# KiCad board main_pcb_hw5.kicad_pcb (continued)
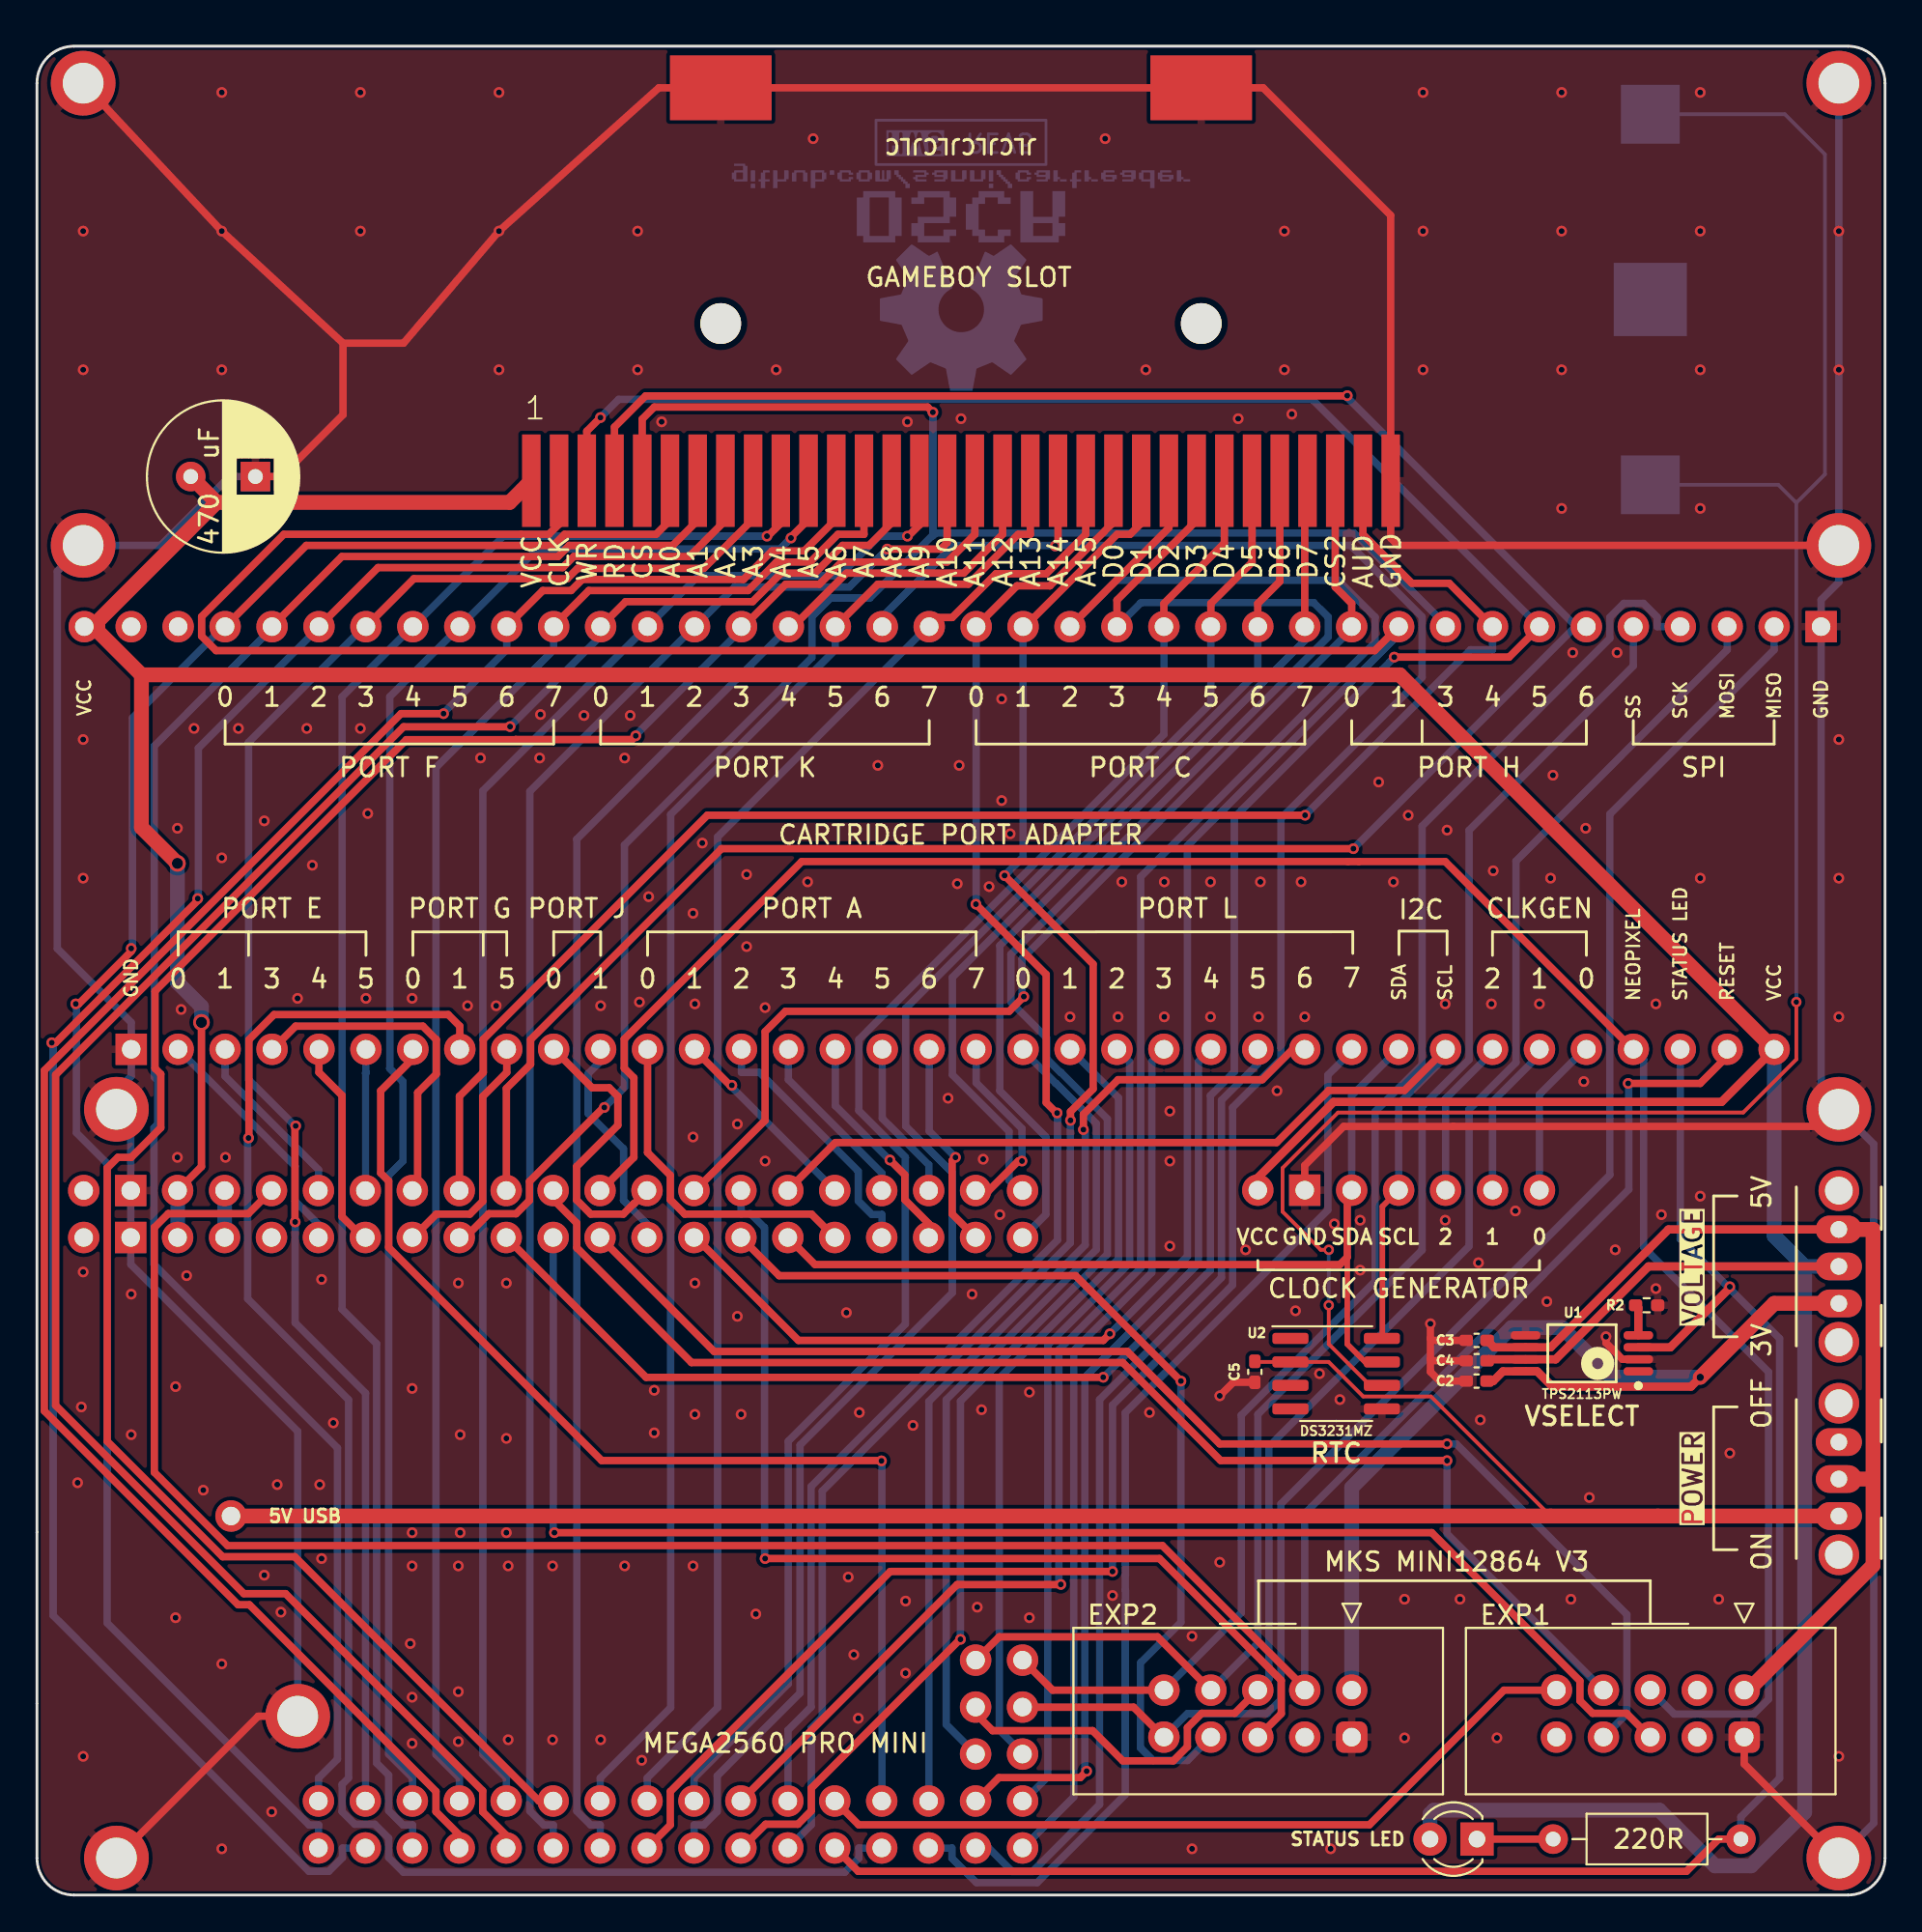
[diagram p0: board, top side]
## Nets
+3.3VA: J1.35 J1.36
+3V3: C2.2 J8.1 SW1.1 U1.8
+5V: C3.1 J9.1 SW1.3 SW2.2 U1.6
GND: BT1.2 C1.2 C2.1 C3.2 C4.2 C5.2 J1.39 J1.40 J3.38 J4.1 J7.2 J8.2 J9.2 J10.32 J10.33 J10.34 M2_1.1 M2_2.1 M2_3.1 M2_4.1 M2_5.1 M2_6.1 M2_7.1 M2_8.1 M2_9.1 R2.1 U1.2 U1.5 U2.5
VBUS: C5.1 J6.1 SW2.1 U2.2
VCC: C1.1 C4.1 D1.2 J1.37 J1.38 J3.1 J4.36 J7.1 J10.1 SW1.2 U1.7
+BATT: BT1.1 U2.6
A0: J1.73 J3.4 J10.6
A1: J1.74 J3.5 J10.7
A2: J1.71 J3.6 J10.8
A3: J1.72 J3.7 J10.9
A4: J1.69 J3.8 J10.10
A5: J1.70 J3.9 J10.11
A6: J1.67 J3.10 J10.12
A7: J1.68 J3.11 J10.13
A8: J1.65 J3.12 J10.14
A9: J1.66 J3.13 J10.15
A10: J1.63 J3.14 J10.16
A11: J1.64 J3.15 J10.17
A12: J1.61 J3.16 J10.18
A13: J1.62 J3.17 J10.19
A14: J1.59 J3.18 J10.20
A15: J1.60 J3.19 J10.21
CLK0: J4.32 J7.7
CLK1: J4.31 J7.6
CLK2: J4.30 J7.5
D0: J1.31 J4.2
D1: J1.32 J4.3
D2: J1.29 J4.5
D3: J1.30 J4.6
D4: J1.27 J4.9
D5: J1.28 J4.4
D6: J1.25 J3.30 J10.5
D7: J1.26 J3.31 J10.31
D8: J1.23 J3.32 J10.3
D9: J1.24 J3.33 J10.4
D10: J1.21 J9.6
D11: J1.22 J9.7
D12: J1.19 J9.8
D13: J1.20 J4.33 J9.5
D14: J1.17 J4.11
D15: J1.18 J4.10
D16: J1.15 J3.29 J10.2
D17: J1.16 J3.28 J10.30
D18: J1.13 J8.8
D19: J1.14 J8.6
D20: J1.11 J4.28 J7.3 U2.7
D21: J1.12 J4.29 J7.4 U2.8
D22: J1.9 J4.12
D23: J1.10 J4.13
D24: J1.7 J4.14
D25: J1.8 J4.15
D26: J1.5 J4.16
D27: J1.6 J4.17
D28: J1.3 J4.18
D29: J1.4 J4.19
D30: J1.1 J3.27 J10.29
D31: J1.2 J3.26 J10.28
D32: J1.57 J3.25 J10.27
D33: J1.58 J3.24 J10.26
D34: J1.55 J3.23 J10.25
D35: J1.56 J3.22 J10.24
D36: J1.53 J3.21 J10.23
D37: J1.54 J3.20 J10.22
D38: J1.51 J4.34 R1.2 U1.3
D39: J1.52 J9.9
D40: J1.49 J4.8
D41: J1.50 J4.7
D42: J1.47 J4.27
D43: J1.48 J4.26
D44: J1.45 J4.25
D45: J1.46 J4.24
D46: J1.43 J4.23
D47: J1.44 J4.22
D48: J1.76 J4.21
D49: J1.75 J4.20
D50: J1.78 J3.37 J8.10
D51: J1.77 J3.36 J8.5
D52: J1.80 J3.35 J8.9
D53: J1.79 J3.34 J8.7
RESET: J1.34 J4.35 J8.3
Net-(D1-K): D1.1 R1.1
Net-(U1-ILIM): R2.2 U1.4

Pads without a net: J1 33 41 42; J3 2 3; J8 4; J9 3 4 10; SW2 3; U1 1; U2 1 3 4

## Via types
v1: diameter 0.58, hole 0.32, Top to Bottom, 261 vias
v2: diameter 0.9, hole 0.6, Top to Bottom, 2 vias
v3: diameter 0.66, hole 0.4, Top to Bottom, 1 via
v4: diameter 0.56, hole 0.3, Top to Bottom, 3 vias

## Routing (per net, layer and track width the routed paths; a pad name or vN(x,y) marks a point on that pad's centre or on a via; arc(x,y) is an arc through that point)
+3.3VA: length 2.5
  Bottom w0.8: 10.16,38.1 10.16,35.56
+3V3: length 56
  Top w0.45: v3(90,28) 89.5,27.5 82,27.5 81.17,28.33 U1.8 79.33,28.33 78.8,27.8 C2.2
  Top w0.8: SW1.1 94,32 v3(90,28)
  Bottom w0.8: J8.1 71.14,22.04 79.79,30.69 82.52,30.69 85.2,28.01 89.99,28.01 v3(90,28)
+5V: length 53.5
  Top w0.45: SW1.3 88.28,36 81.91,29.63 U1.6 78.84,29.63 C3.1
  Top w0.8: 99.35,22.5 SW2.2 ; 99.35,22.5 99.35,17.83 92.6,11.08 J9.1 ; 99.35,22.5 99.35,36 SW1.3
GND: length 382.8
  Top w0.4: M2_4.1 96.57,41.58 76.64,41.58 76.63,41.57 70.71,41.57 68.6,39.46 J7.2 ; 16.56,83.94 19.84,83.94 v1(25,90) 33.65,97.75 J10.33 J10.34 66.35,97.75 73.25,90.85 J10.32 73.25,73.4 73.65,73 M2_3.1 ; 16.56,83.94 16.56,80.07 13.22,76.72 C1.2 ; 16.56,83.94 v1(10,90) M2_1.1 ; J9.2 92.38,7.09 97.47,2 M2_5.1 ; 75.4,30.1 75.5,30 C3.2 ; 75.4,30.1 75.4,29 ; 75.4,30.1 v1(75.4,30.9) ; v1(64,27) 64.73,27.73 C5.2 ; U1.2 85.79,28.98 84.9,29.86 v1(84.9,30.2) ; 75.4,29 75.4,28.3 75.9,27.8 C2.1 ; 75.4,29 75.5,28.9 C4.2 ; M2_7.1 11.97,9.67 M2_6.1
  Bottom w0.4: M2_5.1 99.39,3.89 99.39,40.61 M2_4.1 96.54,43.46 J3.38 96.54,70.06 97.5,71.02 M2_3.1 v1(97.5,82.5) v1(97.5,90) M2_2.1 ; C1.2 10.42,76.72 6.69,73 M2_8.1 1.1,71.6 1.1,51.2 5.1,47.2 J4.1 5.1,44.29 4.3,43.49 M2_9.1 5.08,41.72 5.08,34.11 14.11,25.08 M2_7.1
  vias: v1(2.2,22.3) v1(2.4,26.4) v1(2.5,90) v1(2.5,82.5) v1(2.5,62.5) v1(2.5,55) v1(2.5,33.7) v1(2.5,7.5) v1(5.1,32.5) v1(5.1,24.9) v1(7.5,27.5) v1(7.5,15) v1(7.6,57.7) v1(7.6,39.9) v1(7.8,47.9) v1(8.1,33.5) v1(8.5,63.1) v1(9,21.9) v1(10,97.5) v1(10,82.5) v1(10,56.1) v1(10,12.5) v1(10,2.5) v1(10.2,39.9) v1(10.9,63.1) v1(12.3,58.1) v1(12.3,17.3) v1(12.7,4.5) v1(13,22.2) v1(13.2,15.3) v1(14.1,48.5) v1(14.6,63.1) v1(14.9,55.7) v1(15.3,22.2) v1(15.4,33.3) v1(15.4,18.2) v1(16.04,25.54) v1(17.5,97.5) v1(17.5,90) v1(17.5,63.1) v1(17.8,48.5) v1(17.9,58.5) v1(20.2,13.6) v1(20.3,48.5) v1(20.3,27.4) v1(20.3,19.6) v1(20.3,17.8) v1(20.3,10.7) v1(20.3,8.2) v1(22.8,33.1) v1(22.8,17.8) v1(22.8,11) v1(22.8,8.3) v1(22.9,24.9) v1(22.9,19.6) v1(23.3,48.1) v1(24,61.5) v1(24.85,48.1) v1(25,97.5) v1(25,82.5) v1(25.4,33.1) v1(25.4,24.7) v1(25.4,19.6) v1(25.5,17.8) v1(25.5,8.4) v1(27.24,63.86) v1(27.2,61.5) v1(27.9,17.8) v1(27.9,8.4) v1(29.6,63.8) v1(30.5,48.1) v1(30.5,8.4) v1(31.8,61.5) v1(31.8,17.8) v1(32.1,63.8) v1(32.5,90) v1(32.5,82.5) v1(32.6,48.3) v1(32.72,7.29) v1(33.1,54) v1(33.4,27.3) v1(33.4,25) v1(33.8,79.68) v1(35.5,53.1) v1(35.5,41) v1(35.5,17.8) v1(35.6,48.2) v1(35.6,33.1) v1(35.6,26) v1(36,56.9) v1(37.9,41.7) v1(37.9,31.3) v1(38.1,26) v1(38.4,55.2) v1(38.4,51.3) v1(38.9,15.2) v1(39.4,48) v1(39.4,39.7) v1(40,82.5) v1(41.7,54.8) v1(42,95) v1(43.8,31.5) v1(43.9,17.2) v1(44.2,13) v1(44.44,9.56) v1(44.5,26.1) v1(45.5,61.1) v1(47,15.9) v1(47,12) v1(47.1,79.68) v1(47.4,25.4) v1(49.3,43.1) v1(49.8,54.7) v1(49.9,61.1) v1(50,79.85) v1(50.6,32.5) v1(50.88,15.57) v1(51.11,26.25) v1(51.2,39.8) v1(51.52,54.54) v1(52.1,36.8) v1(52.2,64.7) v1(52.2,59.2) v1(52.66,57.4) v1(53.7,27.2) v1(53.7,15) v1(55.9,47.5) v1(57.8,95) v1(58.2,16.2) v1(58.5,47.5) v1(58.7,54.8) v1(60,82.5) v1(60.2,26.1) v1(61,54.8) v1(61,47.5) v1(61.3,42.4) v1(61.3,39.7) v1(61.3,35.1) v1(62.5,14) v1(62.5,2.5) v1(63.5,54.8) v1(63.5,47.5) v1(64,18) v1(65,79.85) v1(65.4,34.9) v1(66.1,47.5) v1(66.2,54.8) v1(67.1,43.5) v1(67.5,90) v1(67.5,82.5) v1(67.9,80.1) v1(68.1,31.6) v1(68.4,54.8) v1(68.6,47.5) v1(69.4,28.2) v1(70,2.5) v1(70.2,36.3) v1(70.5,26.8) v1(71.6,36.5) v1(71.6,33.8) v1(72.6,60.2) v1(73.4,54.8) v1(74,16) v1(74,8.5) v1(74.2,58.4) v1(75,97.5) v1(75,90) v1(75,82.5) v1(76.2,48.2) v1(76.2,36.5) v1(76.3,57.6) v1(77,16) v1(78,34.2) v1(78.1,25.7) v1(78.7,48.2) v1(78.8,55.4) v1(79,8.5) v1(80,37) v1(81.3,48.2) v1(81.7,32.1) v1(81.9,55) v1(82.03,60.57) v1(82.5,97.5) v1(82.5,90) v1(82.5,82.5) v1(82.5,75) v1(83,16) v1(83.1,67.2) v1(83.7,44) v1(83.8,57.7) v1(84,21.5) v1(85.4,34.9) v1(85.5,67.2) v1(87.6,48.2) v1(87.6,32.8) v1(87.9,36.8) v1(90,97.5) v1(90,90) v1(90,82.5) v1(90,75) v1(90,55) v1(90,37.8) v1(91,16) v1(91.6,23.9) v1(97.5,62.5) v1(97.5,55) v1(97.5,47.5) v1(97.5,7.5)
VBUS: length 106.5
  Top w0.2: 81.9,20.5 81.9,20.5 75.43,26.97 71.76,26.97 69.89,28.83 65.93,28.83 C5.1
  Top w0.8: SW2.1 J6.1
VCC: length 282.8
  Top w0.4: J1.38 8.9,39.39 v2(8.9,47.2)
  Top w0.45: SW1.2 87.2,34 82.18,28.98 U1.7 78.54,28.98 C4.1 ; J7.1 66.06,38.8 70.16,42.9 76.08,42.9 76.09,42.9 91.16,42.9 J4.36
  Top w0.8: J3.1 3.29,68.61 ; 3.29,68.61 3.29,68.9 9.72,75.32 ; 3.29,68.61 3.29,68.36 5.65,66 ; 5.65,66 73.75,66 J4.36 ; 5.65,66 5.65,57.75 v2(7.6,55.8) ; J10.1 25.57,75.32 9.72,75.32 ; 9.72,75.32 C1.1
  Bottom w0.8: 95.65,34 94,35.65 J4.36 ; 95.65,34 SW1.2 ; 95.65,34 95.65,4.47 92.75,1.58 90.8,1.58 87.79,4.59 75.58,4.59 75.38,4.39 D1.2 ; v2(7.6,55.8) 7.6,49.36 8.9,48.06 v2(8.9,47.2) ; 7.62,38.1 7.62,35.56
+BATT: length 113.2
  Top w0.2: U2.6 72.13,27.56 69.9,29.8 v4(69.9,31.9) ; v4(95.2,48.3) 95.2,45.2 92.32,42.33 76.33,42.33 76.32,42.32 70.4,42.32 67.4,39.33 67.4,36.96 69.46,34.9 v4(69.9,34.9)
  Bottom w0.2: v4(95.2,48.3) 95.2,75.36 ; BT1.1 94.58,96.32 96.75,94.15 96.75,76.85 95.2,75.3 94.22,76.28 BT1.1 ; v4(69.9,31.9) v4(69.9,34.9)
A0: length 103.9
  Top w0.4: v1(2.1,48.2) 2.26,48.2 5.1,51.04 v1(5.1,51.2) ; J10.6 34.25,74.35 33.5,73.6 28.55,73.6 27.95,73 14.57,73 J3.4
  Bottom w0.4: v1(5.1,51.2) 5.17,51.27 5.17,63.67 10.11,68.61 J3.4 ; v1(2.1,48.2) 2.13,48.17 2.13,41.24 3.8,39.57 3.8,14.71 14.72,3.79 15.24,3.79 15.24,2.54
A1: length 98.4
  Top w0.4: J3.5 12.72,68.62 16.5,72.4 28.2,72.4 28.8,73 34.4,73 35.75,74.35 J10.7
  Bottom w0.4: 15.24,5.08 15.24,6.33 16.26,7.35 16.26,24.18 6.33,34.11 6.33,41.49 6.54,41.7 6.54,44.05 6.35,44.24 6.35,62.15 12.72,68.52 J3.5
A2: length 109.6
  Top w0.4: v1(8.7,53.9) 8.7,53.79 1.01,46.1 v1(0.8,46.1) ; J3.6 18.45,71.8 28.45,71.8 29.05,72.4 35.3,72.4 37.25,74.35 J10.8
  Bottom w0.4: 17.78,2.54 16.53,2.54 16.53,2.02 15.79,1.28 14.72,1.28 0.87,15.12 0.87,46.03 v1(0.8,46.1) ; J3.6 15.26,68.56 8.73,62.03 8.73,53.93 v1(8.7,53.9)
A3: length 94.3
  Top w0.4: v1(14,41.6) 13.96,41.56 13.96,36.42 v1(13.97,36.41) ; J10.9 38.75,74.42 36.08,71.76 29.26,71.76 28.7,71.2 20.39,71.2 J3.7
  Bottom w0.4: 17.78,5.08 17.78,27.14 13.97,30.95 13.97,36.4 v1(13.97,36.41) ; v1(14,41.6) 13.96,41.6 11.45,44.11 11.45,62.35 17.7,68.61 J3.7
A4: length 94.1
  Top w0.4: J10.10 40.25,74.2 39.55,73.5 v1(39.5,73.5)
  Bottom w0.4: 20.32,2.54 20.32,3.79 19.8,3.79 19.03,4.56 19.03,6.48 18.38,7.13 18.38,29.82 16.51,31.69 16.51,64.81 20.31,68.61 J3.8 25.23,73.5 v1(39.5,73.5)
A5: length 89.6
  Top w0.4: J10.11 41.75,74.4 40.8,73.45 v1(40.8,73.4)
  Bottom w0.4: v1(40.8,73.4) 40.2,72.8 27.08,72.8 J3.9 19.09,64.81 19.09,44.71 19.8,44 19.8,39.7 19.03,38.93 19.03,7.62 20.32,6.33 20.32,5.08
A6: length 109.7
  Top w0.4: J3.10 27.37,70.56 28.9,70.56 29.5,71.16 38.23,71.16 39.77,72.7 41.52,72.7 43.25,74.43 J10.12 ; v1(22,63.9) 19.7,63.9 0.4,44.6 0.4,26.18 10.88,15.7 11.49,15.7 21.59,5.6 21.59,4.51 22.86,3.24 22.86,2.54
  Bottom w0.4: v1(22,63.9) 22,63.93 25.42,67.35 J3.10
A7: length 88.5
  Top w0.4: J10.13 44.75,73.6 43.34,73.6 41.84,72.1 40.02,72.1 38.48,70.56 29.86,70.56 27.96,68.66 J3.11
  Bottom w0.4: 22.86,5.08 22.86,6.33 21.59,7.6 21.59,60.98 27.96,67.35 J3.11
A8: length 113.4
  Top w0.4: v1(25.6,63.2) 25.59,63.19 19.84,63.19 1.01,44.36 1.01,26.48 11.19,16.3 13.45,16.3 24.12,5.63 24.12,4.5 25.4,3.22 25.4,2.54 ; J3.12 31.85,69.96 38.73,69.96 40.27,71.5 42.09,71.5 43.59,73 45.02,73 46.25,74.23 J10.14
  Bottom w0.4: J3.12 30.5,68.1 v1(25.6,63.2)
A9: length 87.1
  Top w0.4: v1(47.1,73.5) 47.15,73.5 47.75,74.1 J10.15
  Bottom w0.4: 25.4,5.08 25.4,6.33 24.13,7.6 24.13,59.73 33,68.61 J3.13 35.79,71.36 43.42,71.36 45.57,73.5 v1(47.1,73.5)
A10: length 89.5
  Top w0.4: J10.16 49.25,73.15 48.9,72.8 v1(46.01,72.8)
  Bottom w0.4: 27.94,2.54 27.94,3.79 27.42,3.79 26.67,4.54 26.67,59.69 J3.14 35.6,68.61 37.76,70.76 43.96,70.76 v1(46.01,72.8)
A11: length 115.9
  Top w0.4: J3.15 38.22,68.61 40.52,70.9 42.34,70.9 43.54,72.1 49.25,72.1 50.75,73.6 J10.17 ; v1(32.4,62.7) 32.2,62.5 25.9,62.5 25.89,62.49 19.99,62.49 6.39,48.89 6.39,44.71 6.7,44.4 6.7,41.5 5.1,39.9 4.38,39.9 3.8,39.32 3.8,24.54 10.04,18.3 13.95,18.3 27.17,5.08 27.94,5.08
  Bottom w0.4: J3.15 38.12,68.46 32.4,62.74 v1(32.4,62.7)
A12: length 88.2
  Top w0.4: J10.18 52.25,73.6 50.15,71.5 43.8,71.5 40.91,68.61 J3.16
  Bottom w0.4: J3.16 40.66,68.56 29.21,57.11 29.21,4.54 29.96,3.79 30.48,3.79 30.48,2.54
A13: length 84.3
  Top w0.4: J3.17 43.2,68.61 45.5,70.9 50.4,70.9 53.1,73.6 53.75,73.6 J10.19
  Bottom w0.4: 30.48,5.08 30.48,6.33 34.29,10.14 34.29,58.44 43.2,67.35 J3.17
A14: length 127.6
  Top w0.4: v1(58.2,17.5) 46.17,17.5 34.27,5.6 34.27,3.79 33.02,2.54 ; v1(55.1,72.97) 55.25,73.12 J10.20
  Bottom w0.4: J3.18 45.74,69.14 49.6,73 55.07,73 v1(55.1,72.97) 55.13,73 71.08,73 74.95,69.13 74.95,65.87 67.31,58.23 67.31,45.21 64.69,42.59 64.69,32.99 58.2,26.5 v1(58.2,17.5)
A15: length 83.3
  Top w0.4: J3.19 48.78,69.1 49.52,69.1 51.89,71.47 54.62,71.47 56.75,73.6 J10.21
  Bottom w0.4: J3.19 48.21,68.61 36.83,57.23 36.83,10.14 33.02,6.33 33.02,5.08
CLK0: length 8.7
  Bottom w0.4: J4.32 83.75,45.75 81.3,43.3 J7.7
CLK1: length 8.7
  Bottom w0.4: J7.6 78.76,42.91 81.3,45.45 J4.31
CLK2: length 8.7
  Bottom w0.4: J4.30 78.76,45.61 76.22,43.07 J7.5
D0: length 13.3
  Bottom w0.4: J4.2 13.97,39.42 13.97,37.54 15.24,36.27 15.24,35.56
D1: length 9.7
  Bottom w0.4: 15.24,38.1 15.24,39.23 10.18,44.29 J4.3
D2: length 11.3
  Top w0.4: 17.78,35.56 17.64,35.56 16.51,36.69 16.51,43.24 15.26,44.49 J4.5
D3: length 7.7
  Bottom w0.4: J4.6 17.8,44.49 17.78,44.47 17.78,38.1
D4: length 13.4
  Top w0.4: 20.32,35.56 20.34,35.56 21.61,36.83 23.43,36.83 24.12,37.52 24.12,43.19 25.42,44.49 J4.9
D5: length 18.4
  Top w0.4: 20.32,38.1 20.6,38.38 20.6,43.4 21.61,44.41 21.61,46.26 20.88,47 14,47 12.75,45.75 J4.4
D6: length 113.6
  Top w0.4: J10.5 32.75,79.83 33.4,80.48 48.19,80.48 v1(48.48,80.2) ; 22.86,35.56 23.16,35.56 24.45,36.85 25.93,36.85 26.65,37.57 26.65,38.59 30.66,42.6 v1(30.7,42.6)
  Bottom w0.4: v1(30.7,42.6) 31.79,43.69 31.79,56.79 41.93,66.93 41.93,69.14 42.94,70.16 45.07,70.16 48.48,73.56 v1(48.48,80.2) 48.48,73.52 48.62,73.67 71.26,73.67 76.22,68.71 J3.30
D7: length 85.3
  Top w0.4: v1(68.62,58.4) 36.27,58.4 24.15,46.28 24.15,44.49 22.86,43.2 22.86,38.1 ; J3.31 76.42,70.95 74.4,70.95 71.75,73.6 J10.31
  Bottom w0.4: v1(68.62,58.4) 77.57,67.35 78.76,67.35 J3.31
D8: length 149.5
  Top w0.4: v1(73.44,66.96) 79.66,66.96 81.3,68.6 J3.32 ; J10.3 29.75,79.18 v1(30.49,79.92) ; v1(57.69,28.01) 57.69,28 32.96,28 25.4,35.56
  Bottom w0.4: v1(73.44,66.96) 73.44,66.94 64.79,58.29 64.79,44.53 63.49,43.24 63.49,33.79 57.71,28.01 v1(57.69,28.01) ; v1(30.49,79.92) 31.47,80.9 69,80.9 J3.32
D9: length 136
  Top w0.4: v1(71.23,56.6) 37.04,56.6 26.71,46.27 26.71,44.94 25.4,43.63 25.4,38.1 ; v1(70.9,81.1) 70.88,81.08 32.93,81.08 31.25,79.4 J10.4
  Bottom w0.4: v1(70.9,81.1) 70.9,81 83.24,68.66 83.24,68.61 ; 83.24,68.61 v1(71.23,56.6) ; 83.24,68.61 J3.33
D10: length 80.5
  Top w0.4: J9.6 86.01,9.83 84.17,9.83 83.49,10.51 83.49,11.58 75.47,19.6 v1(28,19.6)
  Bottom w0.4: v1(28,19.6) 27.94,19.66 27.94,35.56
D11: length 71.4
  Top w0.4: v1(76.3,23.5) 76.3,23.5 64.05,23.5 58.75,28.8 35.42,28.8 29.21,35.01 29.21,36.34 27.94,37.61 27.94,38.1
  Bottom w0.4: v1(76.3,23.5) 76.3,19.54 J9.7
D12: length 71.2
  Top w0.4: 30.48,35.56 36.64,29.4 59,29.4 64,24.4 v1(76.3,24.4)
  Bottom w0.4: v1(76.3,24.4) 76.8,24.4 86.03,15.17 86.03,9.81 J9.8
D13: length 117.4
  Top w0.4: J4.33 86.35,45.75 76.2,55.9 71.53,55.9 71.52,55.9 70.94,55.9 70.94,55.9 41.38,55.9 31.78,46.3 31.78,44.72 32.3,44.2 32.3,39.9 30.5,38.1 30.48,38.1
  Bottom w0.4: J9.5 88.59,9.79 92.89,9.79 93.7,10.6 93.7,28.29 86.94,35.05 86.94,45.19 J4.33
D14: length 11.8
  Bottom w0.4: 33.02,35.56 33.02,36.29 31.74,37.57 31.74,40.36 29.83,42.27 29.83,44.43 30.5,45.1 J4.11
D15: length 15.7
  Top w0.4: 33.02,38.1 32.32,37.4 32.3,37.4 31.73,36.83 29.97,36.83 29.2,37.6 29.2,39.4 31.43,41.63 31.43,43.2 30.96,43.67 30.04,43.67 J4.10
D16: length 160.1
  Top w0.4: J3.29 72.39,67.31 9.69,67.31 8.91,68.09 8.91,69.15 13.36,73.6 26.2,73.6 27.7,73.6 28.25,74.15 J10.2 ; 35.56,35.56 35.64,35.56 41.2,30 57.7,30 v1(58.06,30.36)
  Bottom w0.4: v1(58.06,30.36) 62.25,34.55 62.25,56.75 73.68,68.18 J3.29
D17: length 60.7
  Top w0.4: v1(53.4,48.59) 52.6,47.8 40.5,47.8 39.4,46.7 39.4,41.9 35.6,38.1 35.56,38.1 ; J10.30 70.25,70.75 71.14,69.86 J3.28
  Bottom w0.4: J3.28 71.14,68.48 53.3,50.64 53.3,48.69 v1(53.4,48.59)
D18: length 52.4
  Top w0.4: v1(61.9,27.8) 56.2,33.5 40.16,33.5 38.1,35.56
  Bottom w0.4: v1(61.9,27.8) 61.9,14.75 59.71,12.57 59.71,7.96 60.4,7.28 62.26,7.28 J8.8
D19: length 55
  Top w0.4: v1(39.4,18.2) 60.74,18.2 67.33,11.61 67.33,9.81 J8.6
  Bottom w0.4: 38.1,38.1 38.1,36.85 38.62,36.85 39.37,36.1 39.37,18.23 v1(39.4,18.2)
D20: length 53.8
  Top w0.3: 70.9,37.89 70.9,29.8 71.9,28.8 72.74,28.8 U2.7
  Top w0.4: 40.64,35.56 41.2,35 41.2,35 42.1,34.1 55.6,34.1 55.61,34.1 70.5,34.1 70.9,34.5 70.9,37.89 J7.3
  Bottom w0.4: J7.3 71.14,43.24 73.65,45.75 J4.28
D21: length 55.8
  Top w0.3: U2.8 72.8,30.13 72.8,37.25 J7.4
  Top w0.4: 40.64,38.1 40.64,38.14 43.2,40.7 67.08,40.7 69.9,43.52 74,43.52 J4.29
  Bottom w0.4: J4.29 76.22,45.34 73.68,42.8 J7.4
D22: length 18.4
  Top w0.4: J4.12 33.04,40.16 34.27,38.93 34.27,37.61 35.05,36.83 41.91,36.83 43.18,35.56
D23: length 10.9
  Top w0.4: J4.13 35.58,45.72 37.5,43.8 v1(37.6,43.8)
  Bottom w0.4: 43.18,38.1 43.18,38.12 37.6,43.7 v1(37.6,43.8)
D24: length 14.2
  Bottom w0.4: 45.72,35.56 45.72,36.81 45.17,36.81 44.44,37.54 44.44,39.15 39.09,44.49 38.12,44.49 J4.14
D25: length 9.7
  Bottom w0.4: J4.15 40.66,44.1 45.72,39.04 45.72,38.1
D26: length 12.3
  Top w0.4: 48.26,35.56 48.26,36.31 46.96,37.61 46.96,38.95 v1(46.16,39.76)
  Bottom w0.4: v1(46.16,39.76) 46.14,39.76 43.2,42.69 J4.16
D27: length 8.7
  Bottom w0.4: J4.17 45.74,42.01 48.26,39.49 48.26,38.1
D28: length 11.4
  Top w0.4: 50.8,35.56 49.52,36.84 49.52,39.72 v1(49.7,39.9)
  Bottom w0.4: J4.18 48.28,41.32 v1(49.7,39.9)
D29: length 10.2
  Top w0.4: v1(53.3,39.7) 53.1,39.7 51.5,38.1 50.8,38.1
  Bottom w0.4: v1(53.3,39.7) 53.3,41.45 50.82,43.93 J4.19
D30: length 49.4
  Top w0.4: J10.29 68.6,76.35 J3.27
  Bottom w0.4: J3.27 68.6,67.85 52.1,51.35 52.1,43.5 54.59,41.01 54.59,36.81 53.34,35.56
D31: length 47.4
  Top w0.4: J3.26 66.06,69.86 67.25,71.05 J10.28
  Bottom w0.4: 53.34,38.1 53.15,38.1 52.6,38.65 52.6,41.3 49.53,44.37 49.53,49.63 66.06,66.16 J3.26
D32: length 88.9
  Top w0.4: J3.25 63.52,69.86 65.75,72.09 J10.27
  Bottom w0.4: J3.25 63.52,64.47 47.01,47.96 47.01,41.59 49.53,39.07 49.53,32.58 41.29,24.34 41.29,10.93 36.81,6.45 36.81,4.52 36.08,3.79 35.56,3.79 35.56,2.54
D33: length 85.4
  Top w0.4: J3.24 60.98,69.86 64.25,73.13 J10.26
  Bottom w0.4: J3.24 60.98,62.78 44.47,46.27 44.47,42.43 46.99,39.91 46.99,30.88 40.65,24.54 40.65,11.42 35.56,6.33 35.56,5.08
D34: length 107.1
  Top w0.4: 38.1,2.54 38.14,2.54 39.43,3.83 41.17,3.83 41.9,4.56 41.9,5.78 49.95,13.83 v1(49.97,13.83) ; J10.25 62.75,74.35 58.44,70.04 J3.23
  Bottom w0.4: v1(49.97,13.83) 49.97,26.71 57.92,34.66 57.92,41.98 55.41,44.5 55.38,44.5 54.63,45.25 54.63,46.37 52.7,48.3 52.7,50.88 69.87,68.05 69.87,69.12 69.09,69.9 59.74,69.9 J3.23
D35: length 110.1
  Top w0.4: J10.24 61.25,73.95 55.91,68.61 J3.22 ; 38.1,5.08 38.1,5.1 49.79,16.79 55.39,16.79 v1(55.4,16.8)
  Bottom w0.4: J3.22 55.91,68.61 58.42,71.12 70.41,71.12 72.41,69.12 72.41,67.76 59.72,55.07 59.72,33.92 55.3,29.5 55.3,16.9 v1(55.4,16.8)
D36: length 86.3
  Top w0.4: v1(55.92,41.9) 55.92,42.37 57.15,43.6 57.15,50.35 v1(52.36,55.14) ; J10.23 59.75,74.2 59.15,73.6 58.45,73.6 53.95,69.1 53.85,69.1 J3.21
  Bottom w0.4: 40.64,2.54 41.9,3.8 41.9,9.03 42.49,9.62 42.49,21.85 55.91,35.27 55.91,41.89 v1(55.92,41.9) ; v1(52.36,55.14) 53.36,56.15 J3.21
D37: length 83.4
  Top w0.4: v1(55.2,42.3) 55.17,42.3 54.61,42.86 54.61,49.79 v1(50.81,53.59) ; J3.20 53.03,70.81 54.81,70.81 58.25,74.25 J10.22
  Bottom w0.4: 40.64,5.08 40.64,8.92 41.89,10.17 41.89,22.1 55.22,35.43 55.22,42.28 v1(55.2,42.3) ; J3.20 50.82,53.61 v1(50.81,53.59)
D38: length 102.5
  Top w0.4: R1.2 91,3.03 89.26,1.28 44.44,1.28 43.18,2.54
  Top w0.45: v1(91.6,32.9) 91.6,32.84 88.38,29.63 U1.3
  Bottom w0.4: R1.2 92.2,4.23 94.3,6.32 94.3,30.1 91.6,32.8 v1(91.6,32.9) 91.5,32.9 88.92,35.48 J4.34
D39: length 42.6
  Top w0.4: J9.9 79.38,11.08 72.1,3.8 44.46,3.8 43.18,5.08
D40: length 89.7
  Top w0.4: v1(11.45,40.95) 11.47,40.97 11.47,46.26 12.83,47.62 22.25,47.62 22.88,47 J4.8
  Bottom w0.4: 45.72,2.54 44.47,2.54 44.47,1.99 43.71,1.24 19.82,1.24 19.03,2.03 19.03,3.07 18.27,3.83 17.19,3.83 16.51,4.51 16.51,5.98 16.86,6.33 16.86,26.79 11.4,32.25 11.4,40.9 v1(11.45,40.95)
D41: length 61.5
  Top w0.4: v1(45.7,23.48) 45.68,23.5 30.56,23.5 19.03,35.03 19.03,38.62 18.6,39.05 18.6,43.5 20.34,45.24 J4.7
  Bottom w0.4: 45.72,5.08 45.72,23.46 v1(45.7,23.48)
D42: length 59.1
  Bottom w0.4: J4.27 71.14,45.64 69.85,44.35 69.85,37.05 58.89,26.09 58.89,17.9 58.9,17.89 58.9,17.31 58.89,17.3 58.89,16.5 58.9,16.49 58.9,15.91 58.89,15.9 58.89,5.43 54.12,0.67 50.83,0.67 49.51,1.99 49.51,2.54 48.26,2.54
D43: length 54.1
  Top w0.4: J4.26 67.94,45.75 66.3,44.1 58.5,44.1 56.62,42.22 v1(56.62,41.4)
  Bottom w0.4: v1(56.62,41.4) 56.72,41.3 56.72,35.16 48.26,26.7 48.26,5.08
D44: length 53.1
  Bottom w0.4: J4.25 66.06,44.96 64.09,42.99 64.09,33.39 57.5,26.8 57.5,4.9 53.87,1.27 52.77,1.27 51.5,2.54 50.8,2.54
D45: length 48.6
  Top w0.4: 50.8,5.08 50.8,5.1 52.05,6.35 56.45,6.35 v1(56.8,6.7)
  Bottom w0.4: J4.24 62.85,45.08 62.85,34.15 56.7,28 56.7,6.8 v1(56.8,6.7)
D46: length 46.4
  Bottom w0.4: 53.34,2.54 56.1,5.3 56.1,29.45 60.32,33.67 60.32,45.09 J4.23
D47: length 43.4
  Bottom w0.4: J4.22 59.12,45.06 59.12,34.17 54.7,29.74 54.7,6.4 53.38,5.08 53.34,5.08
D48: length 42.4
  Bottom w0.4: J4.21 58.52,43.12 58.52,34.42 52.07,27.96 52.07,8.93 53.34,7.66 53.34,7.62
D49: length 43.8
  Bottom w0.4: J4.20 53.36,45.67 55.13,43.89 55.16,43.89 57.32,41.73 57.32,34.91 49.2,26.79 49.2,9.22 50.8,7.62
D50: length 84.6
  Top w0.4: J8.10 60.96,8.54 59.34,10.16 53.34,10.16
  Bottom w0.4: J3.37 94,67.35 85.11,58.46 85.11,38.95 67.31,21.15 67.31,10.56 66.56,9.81 62.25,9.81 J8.10
D51: length 86.9
  Top w0.4: 50.8,10.16 50.8,9.8 51.71,8.89 57.12,8.89 58.75,7.26 61.48,7.26 62.25,8.02 62.25,9.05 63.03,9.83 64.81,9.83 J8.5
  Bottom w0.4: J3.36 91.46,67.35 80.03,55.92 80.03,45.03 77.49,42.49 77.49,35.09 66.66,24.26 66.66,11.68 J8.5
D52: length 81.3
  Top w0.4: J8.9 54.96,11.08 53.34,12.7
  Bottom w0.4: J3.35 87.67,68.61 87.67,69.12 86.93,69.86 85.86,69.86 85.11,69.11 85.11,67.97 74.95,57.81 74.95,44.92 72.41,42.38 72.41,33.2 65.16,25.95 65.16,15.26 J8.9
D53: length 81.4
  Top w0.4: 50.8,12.7 52.07,13.97 60.63,13.97 J8.7
  Bottom w0.4: J3.34 86.38,66.48 77.49,57.59 77.49,45.19 74.95,42.65 74.95,34.89 66.06,26 66.06,13.62 J8.7
RESET: length 134.1
  Top w0.4: v1(86.1,43.9) 90,43.9 91.46,45.36 J4.35 ; J1.34 11.44,36.86 7.1,36.86 6.35,36.1 6.35,22.86 10.31,18.9 60.9,18.9 68.6,11.2 J8.3
  Bottom w0.4: J8.3 68.6,20.63 86.14,38.17 86.14,43.86 v1(86.1,43.9)
Net-(D1-K): length 4.1
  Top w0.4: R1.1 D1.1
Net-(U1-ILIM): length 1.7
  Top w0.45: R2.2 86.65,31.75 U1.4

## Copper pours and planes (outline as drawn; the poured copper is in the pictures)
GND on Top, Bottom: 100,0 0,0 0,100 100,100

Small or netless copper shapes (teardrops, artwork), in the pictures only: 1 on Bottom

## Text on the board
Bottom: REV${REVISION} | HW5
B.Mask: REV${REVISION} | HW5
B.Silkscreen: VCC | GND | D0 | A0 | D1 | A1 | D5 | A2 | D2 | A3 | D3 | A4 | D41 | A5 | D40 | A6 | D4 | A7 | D15 | A8 | D14 | A9 | D22 | A10 | D23 | A11 | D24 | A12 | D25 | A13 | D26 | A14 | D27 | A15 | D28 | D37 | D29 | D36 | D49 | D35 | D48 | D34 | D47 | D33 | D46 | D32 | D45 | D31 | D44 | D30 | D43 | D17 | D42 | D16 | D20 | D6 | D21 | CLK2 | D7 | CLK1 | D8 | CLK0 | D9 | D53 | D13 | D52 | D38 | D51 | RST | D50 | 3V3 / 5V | VOLTAGE | ON / OFF | POWER | 5V USB | D18 | D19 | 3V3 | D39 | D11 | D12 | D10 | 5V | RTC BATTERY
F.Silkscreen: VCC | GND | SDA | SCL | SS | NEOPIXEL | SCK | STATUS LED | MOSI | RESET | MISO | 5V USB | JLCJLCJLCJLC | 0 | 1 | PORT E | 3 | 2 | 4 | 5 | PORT F | PORT G | 6 | 7 | PORT J | PORT K | PORT A | CARTRIDGE PORT ADAPTER | GAMEBOY SLOT | EXP2 | PORT C | PORT L | I2C | MKS MINI12864 V3 | PORT H | EXP1 | CLKGEN | 220R | SPI | uF | 470 | CLK | WR | RD | CS | A0 | A1 | A2 | A3 | A4 | A5 | A6 | A7 | A8 | A9 | A10 | A11 | A12 | A13 | A14 | A15 | D0 | D1 | D2 | D3 | D4 | D5 | D6 | D7 | CS2 | AUD | VOLTAGE | POWER | 5V | 3V | OFF | ON | RTC | VSELECT
